# KiCad board cell-sim.kicad_pcb (continued)
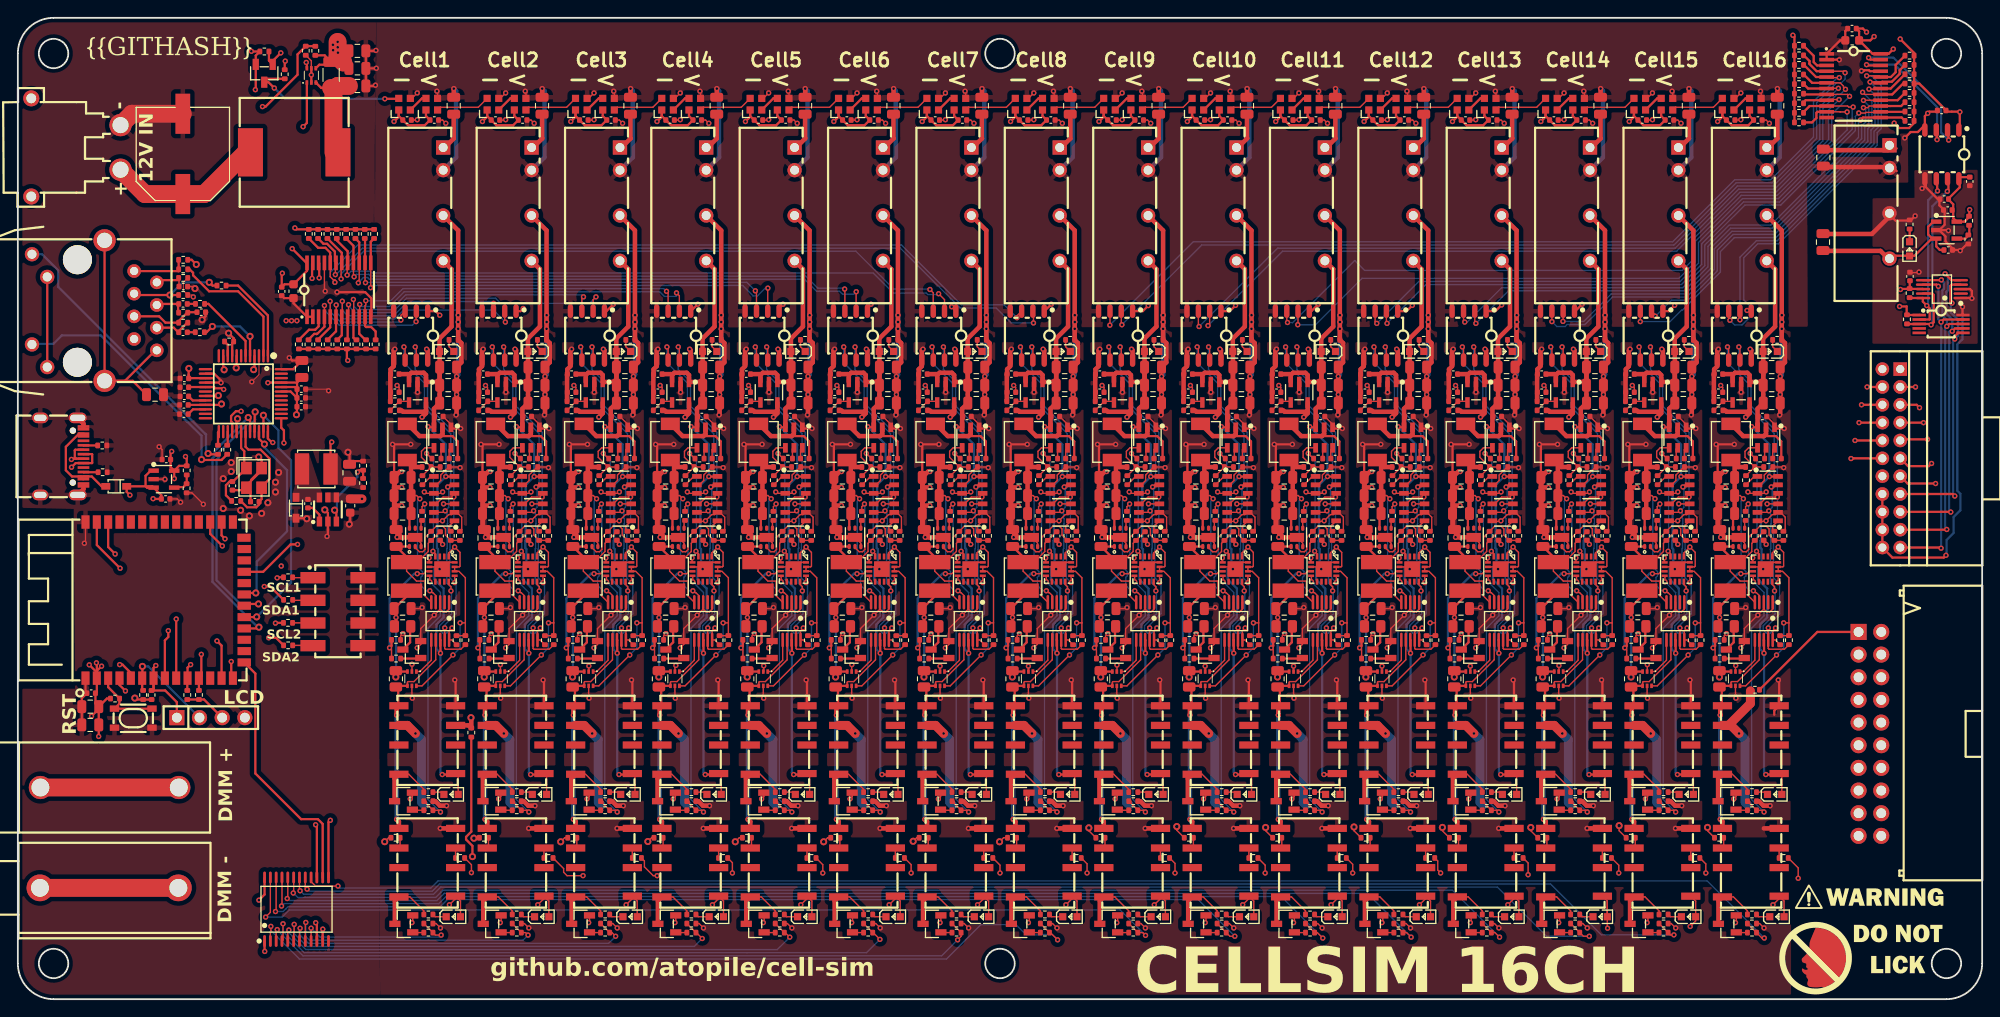
[diagram p0: board, top side]
## Routing (per net, layer and track width the routed paths; a pad name or vN(x,y) marks a point on that pad's centre or on a via; arc(x,y) is an arc through that point) (continued)
  Top w0.25: U97.1 91.63,50.73 C131.1 92.81,49.56 92.81,48.99
CELL6_OUTPUT_RELAY_CONTROL: length 30.4
  Top w0.15: 95.74,21.18 94.98,21.94 94.98,22.19 ; R205.1 96.39,21.18 v2(96.59,20.98) ; U101.8 95.39,47.43 v2(95.39,46.78)
  Bottom w0.15: v2(95.39,46.78) 96.59,45.58 96.59,42.98 95.19,41.58 95.19,22.38 v2(96.59,20.98)
cell7-led_data: length 6.1
  Top w0.15: U117.2 106.46,99.97 110.71,99.97 U132.4
cell7-vcc: length 165.3
  Top w0.25: v2(206.49,66.62) U247.6
  Top w1: v2(103.69,29.78) 102.78,30.69 U113.6
  In1.Cu w0.5: v2(103.69,29.78) 104.62,29.78 105.65,28.75 105.65,28.73 116.69,17.69 194.43,17.69 205.2,28.46 U246.11
  In2.Cu w0.25: v2(206.49,66.62) 206.84,66.27 206.84,45.81 204.04,43.01 204.04,30.59 U246.11
  Bottom w1: v2(103.69,29.78) 104.36,29.11 104.36,22.08 104.69,21.75
cell7.buck.ctrl_resistor-vfb: length 6.2
  Top w0.15: R221.2 104.36,60.73 104.36,61.41 104.75,61.8 U109.4 ; R221.2 R222.1 ; R221.2 105.43,59.65 R220.2
cell7.buck.dac-vout: length 1.7
  Top w0.15: R220.1 105.4,58.6 U108.1
cell7.buck.regulator-en: length 1.3
  Top w0.15: R223.2 106.55,61.64 U109.5
cell7.buck.regulator-sw: length 9.5
  Top w0.25: C145.2 108.41,62.52 107.82,63.12 106.48,63.12
  Top w0.5: L15.1 104.15,63.12 106.48,63.12 106.71,63.35 U109.2
cell7.buck.regulator-vbst: length 1.3
  Top w0.15: U109.6 107.45,61.6 C145.1
cell7.dmm_relay-gnd: length 1.1
  Top w0.15: U114.3 108.18,16.94 R243.1
cell7.dmm_relay-vcc: length 1.2
  Top w0.15: U114.6 101.96,17.08 R242.1
cell7.dmm_relay.fet-gate: length 1.3
  Top w0.15: R233.2 103.41,7.46 Q20.1
cell7.dmm_relay.indicator_led.resistor-cathode: length 1.6
  Top w0.15: R232.1 105.9,9.24 LED22.1
cell7.dmm_relay.relay-gnd: length 7.1
  Top w0.15: U114.8 103.06,11.46 104.62,9.9 R232.2
  Top w0.5: U114.8 101.38,11.01 Q20.3
cell7.gpio-p4: length 13.5
  Top w0.15: U115.7 104.86,47.96 104.6,47.69 v2(103.89,47.69) ; R235.1 101,39.16 v2(100.78,39.38)
  Top w0.25: R236.1 101,39.6 v2(100.78,39.38)
  Bottom w0.25: v2(100.78,39.38) 100.78,44.92 103.55,47.69 v2(103.89,47.69)
cell7.internal_ldo.feedback_div-out: length 2.6
  Top w0.15: U119.4 102.83,67.02 R241.1 101.88,67.02 R240.2
cell7.isolated_converter.led.resistor-cathode: length 1.5
  Top w0.15: LED20.1 107.45,73.13 R219.1
cell7.ldo.ctrl_resistor-fb: length 8.5
  Top w0.15: 103.66,50.56 U111.2 103.66,50.61 104.12,50.15 104.5,50.15 104.77,50.42 104.77,51.77 R225.2 106.04,53.05 106.71,53.05 107.05,52.71 107.05,52.02 R224.2 ; 108.45,51.43 107.44,51.43
cell7.ldo.dac-vout: length 1.4
  Top w0.15: U110.1 107.44,53 107.44,52.44
cell7.ldo.regulator-en: length 0.9
  Top w0.15: R227.2 104.31,53.56 U111.4
cell7.load_switch.fet-gate: length 2.3
  Top w0.25: Q21.1 104.22,38.18 R235.2
cell7.load_switch.fet-n: length 3
  Top w0.25: Q21.3 103.09,40 103.09,41.72 R237.2
cell7.output_relay.fet-gate: length 1.6
  Top w0.15: Q19.1 103.41,21.18 104.88,21.18
cell7.output_relay.indicator_led.resistor-cathode: length 1.3
  Top w0.15: LED21.1 106.62,23.21 R229.1
cell7.output_relay.relay-gnd: length 7
  Top w0.15: U113.8 102.94,25.21 104.62,23.53 R229.2
  Top w0.5: Q19.3 101.34,24.72 U113.8
cell7.voltage_led.ic-vcc: length 2.3
  Top w0.25: U118.2 104.41,100.97 U117.4
CELL7_3V3_VCC: length 34.1
  Top w0.15: 109.27,42.18 R238.2 109.26,40.74 R239.2 ; 109.27,42.18 109.27,47.24 108.55,47.96 U115.14 U115.15 108.59,48.46 108.68,48.54 108.68,50.08 v2(108.07,50.69) 107.41,50.03 U115.1 ; 109.27,42.18 v2(108.69,42.18) ; v2(106.83,55.52) 106.83,55.52 U110.3 ; v2(104.68,56.86) 104.83,56.7 U108.3 106.57,56.7 v2(106.73,56.86) ; C152.1 101.86,68.57 v2(101.63,68.79) ; v2(107.89,38.58) 104.43,35.12 U112.6
  Top w0.5: v2(104.42,65.24) 104.87,65.68 104.87,66 ; U119.5 104.87,66 ; 104.87,66 104.71,65.84 102.3,65.84 102.14,66 ; U116.8 105.05,72.74 v2(104.93,72.86)
  Bottom w0.15: v2(108.69,42.18) 108.69,39.38 v2(107.89,38.58)
CELL7_5V_VCC: length 77.2
  Top w0.15: LED21.2 108.47,25 U113.1 ; 106.39,70.85 C138.1
  Top w0.25: U108.6 108.03,58.58 v2(107.09,58.58) ; v2(105.09,64.18) 105.16,64.1 U109.3 105.76,65.25 C141.1 ; U113.1 108.07,25.18 v2(106.69,25.18) ; v2(106.49,38.78) 106.49,40.24 U107.8
  Top w0.5: 102.97,69.96 102.86,70.06 102.11,70.06 ; 102.97,69.96 U119.3 ; 102.97,69.96 103.22,70.21 104.61,70.21 104.87,69.96 U119.1 106.04,69.18 C140.1 106.39,68.83 106.39,70.06 ; U109.3 105.76,66.19 C139.1 106.39,70.06 ; 106.39,70.06 106.39,72.59 LED20.2 106.38,74.05 107.73,75.4 107.73,81.83 U106.6
  Bottom w0.25: v2(105.09,64.18) 107.09,62.18 v2(107.09,58.58) 106.14,57.63 106.14,51.43 106.09,51.38 106.09,50.58 106.22,50.44 106.22,48.85 105.81,48.45 105.81,47.05 106.84,46.03 106.84,42.79 106.04,42 106.04,39.23 v2(106.49,38.78) 106.49,25.38 v2(106.69,25.18)
CELL7_BUCK_ENABLE: length 12.8
  Top w0.15: v2(105.64,50.21) 105.91,49.94 U115.4 ; R223.1 105.51,60.6 v2(104.93,61.17)
  Bottom w0.15: v2(104.93,61.17) 105.69,60.41 105.69,50.26 v2(105.64,50.21)
CELL7_BUCK_POWER_OUT_VCC: length 24.3
  Top w0.15: C142.1 103.81,56.45 v2(104.17,56.09) ; v2(105.29,45.78) 105.34,45.78 105.55,45.57 105.63,45.57 105.96,45.24 U107.4
  Top w0.25: C143.1 103.01,54.25 U111.6 ; 103.34,58.63 C144.1
  Top w0.5: R221.1 103.55,59.65 L15.2 103.19,60.01 C143.1
  Bottom w0.15: v2(104.17,56.09) 103.92,55.84 103.92,48.35 104,48.27 104.12,48.27 104.46,47.93 104.46,47.45 104.29,47.28 104.29,46.38 104.89,45.78 v2(105.29,45.78)
CELL7_CURRENT_SENSE_OUTPUT: length 4.5
  Top w0.15: U107.6 105.46,37.99 104.18,36.72 U112.1
CELL7_CURRENT_SENSE_POWER_OUT_VCC: length 24.3
  Top w0.15: U107.7 105.96,38.04 103.51,35.6 102.86,35.6 102.79,35.52 U112.4
  Top w0.25: R228.2 101.62,35.12 U112.4 ; 101.51,35 101.75,34.75 101.75,32.89
  Top w0.5: v2(101.58,20.16) 101.83,19.91 U114.5 ; v2(101.58,31.84) 101.58,32.64 U113.5
  Bottom w0.5: v2(101.58,20.16) v2(101.58,31.84)
CELL7_DMM_RELAY_CONTROL: length 81.9
  Top w0.15: v2(29.05,7.8) 28.93,7.68 U16.3 ; R234.1 104.63,8.48 R233.1 105.64,7.04 v2(105.25,6.65)
  Bottom w0.15: v2(29.05,7.8) 29.05,7.74 31.93,4.86 103.46,4.86 v2(105.25,6.65)
CELL7_FILTER_POWER_OUT_VCC: length 134.3
  Top w0.15: R261.2 111.92,40.72 v2(112.18,40.98) ; 111.42,55.33 111.19,55.1 C159.2 ; U122.2 115.92,57.65 116.41,58.14 116.41,58.75 117.31,59.65 R247.2 118.51,59.65 v2(118.58,59.58) ; C157.2 117.56,64.44 U123.1 ; R251.2 118.76,52.65 118.76,54.03 118.22,54.57 U124.2 117.88,54.57 117.62,54.32 117.31,54.32 116.61,53.62 v2(116.61,53.62) 116.54,53.55 115.59,53.55 115.65,53.61 U124.6 ; v2(114.32,43.9) 114.2,43.78 C164.2 ; v2(118.19,67.78) 118.19,67.78 C156.2 ; v2(113.78,39.38) 114.17,39.77 Q24.2 114.17,41.54 v2(115.68,43.05) 116.35,43.72 U121.3 116.35,43.73 116.68,43.4 117.03,43.4 117.35,43.73 U121.1 ; 116.35,51.44 116.35,51.25 v2(116.62,50.98) ; 111.38,58.48 C160.2 111.42,58.25 C163.2 111.42,51.88 v2(111.53,51.78) ; Q22.2 113.24,22.69 v2(113,22.45) ; v2(113.23,33.74) 113.18,33.78 U126.5 ; 118.19,65.55 v2(118.13,65.49) ; U129.6 116.31,48.46 U129.17 117.31,48.96 U129.16 117.45,48.96 116.7,48.21 v2(116.29,48.21) ; v2(113.18,37.33) U126.2 ; C154.2 v2(118.19,69.81) ; U125.7 114.21,51.11 U125.3 ; C158.2 111.19,56.52
  Top w0.25: U123.1 117.69,63.97 v2(118.64,63.97) ; U112.3 101.59,36.72 R228.1 101.49,36.11 v1(101.49,36.11) ; v2(117.98,35.78) 118.08,35.69 U127.4 ; 102.71,45.79 102.71,45.18 101.31,43.78 101.51,43.58 v2(101.51,42.78) 101.51,42.02 ; v2(113.05,62.19) v2(111.02,62.19) 111.19,62.02 C160.2
  Top w0.5: 118.37,76.67 v2(118.37,76.67) ; 118.37,76.67 118.37,86.17 U120.4 ; 118.37,76.67 118.37,75.91 ; v2(118.19,69.81) v2(118.19,67.78) C155.2 118.19,65.55 ; 111.19,56.52 111.19,57.36 v2(112.04,57.36) ; 111.42,55.33 v2(112.04,55.33) ; v2(117.06,21.68) 116.32,21.68 115.81,22.19 R256.2 ; 112.04,51.76 111.54,51.76 v2(111.53,51.78) ; 112.04,51.76 111.19,52.61 C160.2 ; 112.04,51.76 U125.7 ; U133.2 v2(113.81,68.03) ; R266.2 110.76,70.03 C167.2 110.79,70.6 111.14,70.95 U130.5 111.14,72.73 v2(111.27,72.86) ; U128.4 v2(116.36,19.14) ; 118.37,75.91 R244.2 118.73,73.54 118.73,71.38 C154.2 ; 118.37,75.91 v2(118.37,75.91) ; v2(112.04,59.14) 111.85,59.14 111.38,58.67 111.38,58.48
  In1.Cu w0.15: 113.23,37.28 v2(113.18,37.33)
  In1.Cu w1: v2(113.23,33.74) 113.23,37.28
  In2.Cu w0.25: v1(101.49,36.11) 102.08,36.11 104.45,33.74 v2(113.23,33.74)
  Bottom w0.25: v1(101.49,36.11) 101.51,36.13 v2(101.51,42.78)
  Bottom w0.5: v2(118.19,69.81) 118.37,69.99 v2(118.37,76.67)
  vias: v2(118.37,75.14)
CELL7_I2C_SCL: length 44.2
  Top w0.15: U108.5 107.53,57.65 v2(107.3,57.41) ; R239.1 107.74,40.27 U107.10 107.46,41.29 v2(107.77,41.61) ; v2(107.02,54.74) 106.85,54.57 U110.5 ; U115.12 107.41,46.49 107.66,46.24 v2(107.66,45.76) ; U116.6 102.52,72.98 v2(102.39,73.11)
  Bottom w0.15: v2(102.39,73.11) 102.39,71.33 104.68,69.05 104.68,66.35 107.63,63.39 107.63,57.36 107.41,57.14 107.41,55.13 v2(107.02,54.74) 107.22,54.54 107.22,53.93 107.29,53.86 107.29,53.31 107.25,53.27 107.25,50.53 107.19,50.48 107.19,46.64 107.66,46.17 v2(107.66,45.76) 107.73,45.7 107.73,43.19 106.39,41.85 106.39,41.38 106.73,41.04 107.2,41.04 v2(107.77,41.61)
CELL7_I2C_SDA: length 44
  Top w0.15: v2(106.96,41.62) 106.96,41.61 U107.9 106.96,39.31 107.04,39.23 108.77,39.23 R238.1 ; U110.4 106.02,55.52 106.79,56.28 v2(107.98,56.28) ; v2(108.07,46.7) U115.13 ; U116.7 103.78,72.99 v2(103.66,73.11)
  Bottom w0.15: v2(103.66,73.11) 103.66,70.57 105.03,69.21 105.03,66.49 107.98,63.54 v2(107.98,56.28) 107.98,53.58 107.55,53.15 107.55,50.41 107.54,50.4 107.54,47.23 v2(108.07,46.7) 108.23,46.53 108.23,43.2 106.96,41.93 v2(106.96,41.62)
CELL7_LDO_ENABLE: length 7.7
  Top w0.15: v2(105.21,49.46) 105.21,49 U115.5 ; R227.1 104.42,55.21 v2(104.72,55.51)
  Bottom w0.15: v2(105.21,49.46) 104.75,49.93 104.75,55.48 v2(104.72,55.51)
CELL7_LDO_POWER_OUT_VCC: length 15.6
  Top w0.15: U107.5 104.72,45.23 104.72,46.87 103.8,46.87 102.69,47.97 L16.1 103.93,48.99 105.12,50.18 105.12,51.1 R225.1 106.42,52.4 106.45,52.4
  Top w0.25: U111.1 101.53,50.73 C147.1 102.71,49.56 102.71,48.99
CELL7_OUTPUT_RELAY_CONTROL: length 30.4
  Top w0.15: v2(106.49,20.98) 106.29,21.18 R230.1 ; 105.64,21.18 104.88,21.94 104.88,22.19 ; U115.8 105.29,47.43 v2(105.29,46.78)
  Bottom w0.15: v2(106.49,20.98) 105.09,22.38 105.09,41.58 106.49,42.98 106.49,45.58 v2(105.29,46.78)
cell8-led_data: length 6.1
  Top w0.15: U146.4 120.61,99.97 116.36,99.97 U131.2
cell8-vcc: length 155.3
  Top w0.25: U247.5 212.66,66.62 v2(212.99,66.3)
  Top w1: v2(113.58,29.78) 112.67,30.69 U127.6
  In1.Cu w0.25: U246.10 207.48,29.78 205.37,29.78 205.35,29.8
  In1.Cu w0.5: 113.58,29.77 124.96,18.39 194.14,18.39 205.53,29.78 205.55,29.78
  In1.Cu w1: v2(113.58,29.78) 113.58,29.77
  In2.Cu w0.25: v2(212.99,66.3) 212.81,66.12 212.81,49.49 210.82,47.5 210.82,33.13 U246.10
  Bottom w1: 114.58,21.75 114.26,22.08 114.26,29.11 v2(113.58,29.78)
cell8.buck.ctrl_resistor-vfb: length 6.2
  Top w0.15: R246.2 115.33,59.65 R245.2 ; R246.2 114.26,60.73 114.26,61.41 114.65,61.8 U123.4 ; R246.2 R247.1
cell8.buck.dac-vout: length 1.7
  Top w0.15: R245.1 115.3,58.6 U122.1
cell8.buck.regulator-en: length 1.3
  Top w0.15: R248.2 116.45,61.64 U123.5
cell8.buck.regulator-sw: length 9.5
  Top w0.25: 116.37,63.12 117.71,63.12 118.31,62.52 C161.2
  Top w0.5: U123.2 116.61,63.35 116.37,63.12 114.04,63.12 L17.1
cell8.buck.regulator-vbst: length 1.3
  Top w0.15: U123.6 117.35,61.6 C161.1
cell8.dmm_relay-gnd: length 1.1
  Top w0.15: U128.3 118.07,16.94 R268.1
cell8.dmm_relay-vcc: length 1.2
  Top w0.15: R267.1 111.86,17.08 U128.6
cell8.dmm_relay.fet-gate: length 1.3
  Top w0.15: R258.2 113.31,7.46 Q23.1
cell8.dmm_relay.indicator_led.resistor-cathode: length 1.6
  Top w0.15: LED25.1 115.79,9.24 R257.1
cell8.dmm_relay.relay-gnd: length 7.1
  Top w0.15: R257.2 114.52,9.9 112.95,11.46 U128.8
  Top w0.5: Q23.3 111.28,11.01 U128.8
cell8.gpio-p4: length 13.5
  Top w0.15: U129.7 114.76,47.96 114.49,47.69 v2(113.78,47.69) ; R260.1 110.9,39.16 v2(110.68,39.38)
  Top w0.25: v2(110.68,39.38) 110.9,39.6 R261.1
  Bottom w0.25: v2(110.68,39.38) 110.68,44.92 113.45,47.69 v2(113.78,47.69)
cell8.internal_ldo.feedback_div-out: length 2.6
  Top w0.15: U133.4 112.73,67.02 R266.1 111.78,67.02 R265.2
cell8.isolated_converter.led.resistor-cathode: length 1.5
  Top w0.15: LED23.1 117.35,73.13 R244.1
cell8.ldo.ctrl_resistor-fb: length 8.5
  Top w0.15: 113.56,50.56 U125.2 113.56,50.61 114.02,50.15 114.4,50.15 114.67,50.42 114.67,51.77 R250.2 115.94,53.05 116.61,53.05 116.95,52.71 116.95,52.02 R249.2 ; 118.35,51.43 117.34,51.43
cell8.ldo.dac-vout: length 1.4
  Top w0.15: U124.1 117.34,53 117.34,52.44
cell8.ldo.regulator-en: length 0.9
  Top w0.15: R252.2 114.21,53.56 U125.4
cell8.load_switch.fet-gate: length 2.3
  Top w0.25: Q24.1 114.12,38.18 R260.2
cell8.load_switch.fet-n: length 3
  Top w0.25: R262.2 112.98,41.72 112.98,40 Q24.3
cell8.output_relay.fet-gate: length 1.6
  Top w0.15: 114.77,21.18 113.31,21.18 Q22.1
cell8.output_relay.indicator_led.resistor-cathode: length 1.3
  Top w0.15: LED24.1 116.52,23.21 R254.1
cell8.output_relay.relay-gnd: length 7
  Top w0.15: U127.8 112.84,25.21 114.52,23.53 R254.2
  Top w0.5: Q22.3 111.24,24.72 U127.8
cell8.voltage_led.ic-vcc: length 2.3
  Top w0.25: U131.4 114.31,100.97 U132.2
CELL8_3V3_VCC: length 34.1
  Top w0.15: v2(118.58,42.18) 119.17,42.18 ; 119.17,42.18 R263.2 119.16,40.74 R264.2 ; 119.17,42.18 119.17,47.24 118.45,47.96 U129.14 U129.15 118.49,48.46 118.58,48.54 118.58,50.08 v2(117.97,50.69) 117.31,50.03 U129.1 ; v2(117.78,38.58) 114.33,35.12 U126.6 ; C168.1 111.75,68.57 v2(111.53,68.79) ; v2(116.73,55.52) 116.73,55.52 U124.3 ; v2(116.62,56.86) 116.47,56.7 U122.3 114.73,56.7 v2(114.58,56.86)
  Top w0.5: U130.8 114.95,72.74 v2(114.83,72.86) ; v2(114.32,65.24) 114.76,65.68 114.76,66 ; U133.5 114.76,66 ; 114.76,66 114.61,65.84 112.19,65.84 112.04,66
  Bottom w0.15: v2(118.58,42.18) 118.58,39.38 v2(117.78,38.58)
CELL8_5V_VCC: length 77.2
  Top w0.15: U127.1 118.37,25 LED24.2 ; 116.29,70.85 C154.1
  Top w0.25: C157.1 115.66,65.25 U123.3 115.06,64.1 v2(114.98,64.18) ; U127.1 117.97,25.18 v2(116.58,25.18) ; v2(116.98,58.58) 117.93,58.58 U122.6 ; U121.8 116.38,40.24 v2(116.38,38.78)
  Top w0.5: 112.86,69.96 113.12,70.21 114.51,70.21 114.76,69.96 U133.1 115.94,69.18 C156.1 116.29,68.83 116.29,70.06 ; 112.86,69.96 112.76,70.06 112.01,70.06 ; 112.86,69.96 U133.3 ; 116.29,70.06 C155.1 115.66,66.19 U123.3 ; 116.29,70.06 116.29,72.59 LED23.2 116.28,74.05 117.62,75.4 117.62,81.83 U120.6
  Bottom w0.25: v2(114.98,64.18) 116.98,62.18 v2(116.98,58.58) 116.03,57.63 116.03,51.43 115.98,51.38 115.98,50.58 116.12,50.44 116.12,48.85 115.71,48.45 115.71,47.05 116.73,46.03 116.73,42.79 115.94,42 115.94,39.23 v2(116.38,38.78) 116.38,25.38 v2(116.58,25.18)
CELL8_BUCK_ENABLE: length 12.8
  Top w0.15: R248.1 115.41,60.6 v2(114.83,61.17) ; U129.4 115.81,49.94 v2(115.54,50.21)
  Bottom w0.15: v2(114.83,61.17) 115.59,60.41 115.59,50.26 v2(115.54,50.21)
CELL8_BUCK_POWER_OUT_VCC: length 24.3
  Top w0.15: v2(114.07,56.09) 113.71,56.45 C158.1 ; U121.4 115.85,45.24 115.53,45.57 115.45,45.57 115.24,45.78 v2(115.19,45.78)
  Top w0.25: 113.24,58.63 C160.1 ; C159.1 112.91,54.25 U125.6
  Top w0.5: R246.1 113.45,59.65 L17.2 113.09,60.01 C159.1
  Bottom w0.15: v2(115.19,45.78) 114.79,45.78 114.18,46.38 114.18,47.28 114.36,47.45 114.36,47.93 114.02,48.27 113.9,48.27 113.81,48.35 113.81,55.84 v2(114.07,56.09)
CELL8_CURRENT_SENSE_OUTPUT: length 4.5
  Top w0.15: U121.6 115.35,37.99 114.08,36.72 U126.1
CELL8_CURRENT_SENSE_POWER_OUT_VCC: length 24.3
  Top w0.15: U126.4 112.68,35.52 112.76,35.6 113.41,35.6 115.85,38.04 U121.7
  Top w0.25: R253.2 111.52,35.12 U126.4 ; 111.65,32.89 111.65,34.75 111.41,35
  Top w0.5: v2(111.47,20.16) 111.73,19.91 U128.5 ; v2(111.47,31.84) 111.47,32.64 U127.5
  Bottom w0.5: v2(111.47,20.16) v2(111.47,31.84)
CELL8_DMM_RELAY_CONTROL: length 96.6
  Top w0.15: v2(28.33,8.16) 28.33,7.58 28.28,7.53 U16.2 ; R259.1 114.52,8.48 R258.1 115.64,7.46 v2(116.45,6.65)
  Bottom w0.15: v2(28.33,8.16) 28.33,7.7 31.53,4.51 104.01,4.51 107.85,8.35 111.8,8.35 112.95,7.2 114.4,7.2 114.45,7.25 115.85,7.25 v2(116.45,6.65)
CELL8_FILTER_POWER_OUT_VCC: length 134.5
  Top w0.15: v2(122.08,40.98) 121.82,40.72 R286.2 ; U138.6 125.55,53.61 125.49,53.55 126.44,53.55 v2(126.51,53.62) 127.2,54.32 127.52,54.32 127.78,54.57 U138.2 128.12,54.57 128.66,54.03 128.66,52.65 R276.2 ; 121.28,58.48 C176.2 121.32,58.25 C179.2 121.32,51.88 v2(121.43,51.78) ; U139.7 124.11,51.11 U139.3 ; U140.5 123.08,33.78 v2(123.13,33.74) ; v2(123.1,37.45) 123.1,36.74 U140.2 ; Q25.2 123.14,22.69 v2(122.9,22.45) ; U143.6 126.21,48.46 U143.17 127.21,48.96 U143.16 127.35,48.96 126.6,48.21 v2(126.19,48.21) ; v2(124.22,43.9) 124.1,43.78 C180.2 ; C173.2 127.46,64.44 U137.1 ; v2(128.09,67.78) 128.09,67.78 C172.2 ; C174.2 121.09,56.52 ; v2(128.48,59.58) 128.41,59.65 R272.2 127.21,59.65 126.31,58.75 126.31,58.14 125.82,57.65 U136.2 ; 126.25,51.44 126.25,51.25 v2(126.52,50.98) ; U135.1 127.25,43.73 126.93,43.4 126.58,43.4 126.25,43.73 U135.3 126.25,43.72 v2(125.58,43.05) 124.07,41.54 Q27.2 124.07,39.77 v2(123.68,39.38) ; C170.2 v2(128.09,69.81) ; C175.2 121.09,55.1 121.32,55.33 ; 128.09,65.55 v2(128.03,65.49)
  Top w0.25: v2(127.88,35.78) 127.98,35.69 U141.4 ; 112.61,45.79 112.61,45.18 111.21,43.78 111.41,43.58 v2(111.41,42.78) 111.41,42.02 ; v1(111.38,36.11) 111.39,36.11 R253.1 111.49,36.72 U126.3 ; v2(122.95,62.19) v2(120.92,62.19) 121.09,62.02 C176.2 ; U137.1 127.59,63.97 v2(128.54,63.97)
  Top w0.5: U142.4 v2(126.26,19.14) ; 128.27,75.91 v2(128.27,75.91) ; 128.27,75.91 128.27,76.67 ; 128.27,75.91 R269.2 128.63,73.54 128.63,71.38 C170.2 ; 121.32,55.33 v2(121.94,55.33) ; C176.2 121.09,52.61 121.94,51.76 ; 121.94,51.76 121.44,51.76 v2(121.43,51.78) ; 121.94,51.76 U139.7 ; 128.27,76.67 v2(128.27,76.67) ; 128.27,76.67 128.27,86.17 U134.4 ; v2(121.94,59.14) 121.75,59.14 121.28,58.67 121.28,58.48 ; v2(121.17,72.86) 121.04,72.73 U144.5 121.04,70.95 120.69,70.6 C183.2 120.66,70.03 R291.2 ; 128.09,65.55 C171.2 v2(128.09,67.78) v2(128.09,69.81) ; v2(126.96,21.68) 126.22,21.68 125.71,22.19 R281.2 ; U147.2 v2(123.71,68.03) ; v2(121.94,57.36) 121.09,57.36 121.09,56.52
  In1.Cu w0.15: 123.13,37.42 v2(123.1,37.45)
  In1.Cu w1: v2(123.13,33.74) 123.13,37.42
  In2.Cu w0.25: v2(123.13,33.74) 121.71,35.16 112.34,35.16 v1(111.38,36.11)
  Bottom w0.25: v2(111.41,42.78) 111.41,36.13 v1(111.38,36.11)
  Bottom w0.5: v2(128.09,69.81) 128.27,69.99 v2(128.27,76.67)
  vias: v2(128.27,75.14)
CELL8_I2C_SCL: length 44.2
  Top w0.15: v2(117.2,57.41) 117.43,57.65 U122.5 ; U124.5 116.75,54.57 v2(116.92,54.74) ; R264.1 117.64,40.27 U121.10 117.35,41.29 v2(117.67,41.61) ; v2(112.29,73.11) 112.42,72.98 U130.6 ; v2(117.56,45.76) 117.56,46.24 117.31,46.49 U129.12
  Bottom w0.15: v2(112.29,73.11) 112.29,71.33 114.58,69.05 114.58,66.35 117.53,63.39 117.53,57.36 117.3,57.14 117.3,55.13 v2(116.92,54.74) 117.12,54.54 117.12,53.93 117.18,53.86 117.18,53.31 117.15,53.27 117.15,50.53 117.09,50.48 117.09,46.64 117.56,46.17 v2(117.56,45.76) 117.62,45.7 117.62,43.19 116.29,41.85 116.29,41.38 116.62,41.04 117.1,41.04 v2(117.67,41.61)
CELL8_I2C_SDA: length 44
  Top w0.15: v2(116.86,41.62) 116.85,41.61 U121.9 116.85,39.31 116.94,39.23 118.67,39.23 R263.1 ; U130.7 113.68,72.99 v2(113.56,73.11) ; v2(117.97,46.7) U129.13 ; U124.4 115.92,55.52 116.69,56.28 v2(117.88,56.28)
  Bottom w0.15: v2(113.56,73.11) 113.56,70.57 114.93,69.21 114.93,66.49 117.88,63.54 v2(117.88,56.28) 117.88,53.58 117.45,53.15 117.45,50.41 117.44,50.4 117.44,47.23 v2(117.97,46.7) 118.13,46.53 118.13,43.2 116.86,41.93 v2(116.86,41.62)
CELL8_LDO_ENABLE: length 7.7
  Top w0.15: v2(115.11,49.46) 115.11,49 U129.5 ; R252.1 114.32,55.21 v2(114.62,55.51)
  Bottom w0.15: v2(114.62,55.51) 114.64,55.48 114.64,49.93 v2(115.11,49.46)
CELL8_LDO_POWER_OUT_VCC: length 15.6
  Top w0.15: U121.5 114.62,45.23 114.62,46.87 113.7,46.87 112.59,47.97 L18.1 113.82,48.99 115.02,50.18 115.02,51.1 R250.1 116.32,52.4 116.35,52.4
  Top w0.25: 112.61,48.99 112.61,49.56 C163.1 111.43,50.73 U125.1
CELL8_OUTPUT_RELAY_CONTROL: length 30.4
  Top w0.15: R255.1 116.19,21.18 v2(116.38,20.98) ; U129.8 115.18,47.43 v2(115.18,46.78) ; 115.54,21.18 114.77,21.94 114.77,22.19
  Bottom w0.15: v2(115.18,46.78) 116.38,45.58 116.38,42.98 114.98,41.58 114.98,22.38 v2(116.38,20.98)
cell9-led_data: length 6.1
  Top w0.15: U160.4 130.51,99.97 126.26,99.97 U145.2
cell9-vcc: length 140.1
  Top w0.25: v2(207.12,68.62) U247.4
  Top w1: v2(123.48,29.78) 122.57,30.69 U141.6
  In1.Cu w0.5: U246.9 205.74,31 204.77,30.04 204.77,30.01 198.49,23.73 129.52,23.73 123.48,29.77 v2(123.48,29.78)
  In2.Cu w0.25: v2(207.12,68.62) 207.29,68.45 207.29,45.63 204.49,42.82 204.49,32.68 U246.9
  Bottom w1: v2(123.48,29.78) 124.16,29.11 124.16,22.08 124.48,21.75
cell9.buck.ctrl_resistor-vfb: length 6.2
  Top w0.15: R271.2 124.15,60.73 124.15,61.41 124.54,61.8 U137.4 ; R271.2 125.23,59.65 R270.2 ; R271.2 R272.1
cell9.buck.dac-vout: length 1.7
  Top w0.15: U136.1 125.2,58.6 R270.1
cell9.buck.regulator-en: length 1.3
  Top w0.15: U137.5 126.35,61.64 R273.2
cell9.buck.regulator-sw: length 9.5
  Top w0.25: 126.27,63.12 127.61,63.12 128.21,62.52 C177.2
  Top w0.5: L19.1 123.94,63.12 126.27,63.12 126.51,63.35 U137.2
cell9.buck.regulator-vbst: length 1.3
  Top w0.15: C177.1 127.25,61.6 U137.6
cell9.dmm_relay-gnd: length 1.1
  Top w0.15: U142.3 127.97,16.94 R293.1
cell9.dmm_relay-vcc: length 1.2
  Top w0.15: U142.6 121.76,17.08 R292.1
cell9.dmm_relay.fet-gate: length 1.3
  Top w0.15: R283.2 123.21,7.46 Q26.1
cell9.dmm_relay.indicator_led.resistor-cathode: length 1.6
  Top w0.15: LED28.1 125.69,9.24 R282.1
cell9.dmm_relay.relay-gnd: length 7.1
  Top w0.15: U142.8 122.85,11.46 124.42,9.9 R282.2
  Top w0.5: U142.8 121.18,11.01 Q26.3
cell9.gpio-p4: length 13.5
  Top w0.15: U143.7 124.66,47.96 124.39,47.69 v2(123.68,47.69) ; v2(120.58,39.38) 120.8,39.16 R285.1
  Top w0.25: v2(120.58,39.38) 120.8,39.6 R286.1
  Bottom w0.25: v2(123.68,47.69) 123.35,47.69 120.58,44.92 v2(120.58,39.38)
cell9.internal_ldo.feedback_div-out: length 2.6
  Top w0.15: U147.4 122.63,67.02 R291.1 121.68,67.02 R290.2
cell9.isolated_converter.led.resistor-cathode: length 1.5
  Top w0.15: LED26.1 127.25,73.13 R269.1
cell9.ldo.ctrl_resistor-fb: length 8.5
  Top w0.15: 128.25,51.43 127.23,51.43 ; R274.2 126.85,52.02 126.85,52.71 126.51,53.05 125.84,53.05 R275.2 124.56,51.77 124.56,50.42 124.3,50.15 123.91,50.15 123.46,50.61 U139.2 123.46,50.56
cell9.ldo.dac-vout: length 1.4
  Top w0.15: U138.1 127.23,53 127.23,52.44
cell9.ldo.regulator-en: length 0.9
  Top w0.15: R277.2 124.11,53.56 U139.4
cell9.load_switch.fet-gate: length 2.3
  Top w0.25: R285.2 124.01,38.18 Q27.1
cell9.load_switch.fet-n: length 3
  Top w0.25: R287.2 122.88,41.72 122.88,40 Q27.3
cell9.output_relay.fet-gate: length 1.6
  Top w0.15: Q25.1 123.21,21.18 124.67,21.18
cell9.output_relay.indicator_led.resistor-cathode: length 1.3
  Top w0.15: R279.1 126.42,23.21 LED27.1
cell9.output_relay.relay-gnd: length 7
  Top w0.15: U141.8 122.74,25.21 124.42,23.53 R279.2
  Top w0.5: U141.8 121.14,24.72 Q25.3
cell9.voltage_led.ic-vcc: length 2.3
  Top w0.25: U145.4 124.21,100.97 U146.2
CELL9_3V3_VCC: length 34.1
  Top w0.15: 129.07,42.18 R288.2 129.06,40.74 R289.2 ; 129.07,42.18 v2(128.48,42.18) ; 129.07,42.18 129.07,47.24 128.35,47.96 U143.14 U143.15 128.39,48.46 128.48,48.54 128.48,50.08 v2(127.87,50.69) 127.21,50.03 U143.1 ; U138.3 126.63,55.52 v2(126.63,55.52) ; C184.1 121.65,68.57 v2(121.43,68.79) ; v2(124.48,56.86) 124.63,56.7 U136.3 126.37,56.7 v2(126.52,56.86) ; v2(127.68,38.58) 124.22,35.12 U140.6
  Top w0.5: v2(124.73,72.86) 124.85,72.74 U144.8 ; U147.5 124.66,66 ; 124.66,66 124.66,65.68 v2(124.22,65.24) ; 124.66,66 124.51,65.84 122.09,65.84 121.94,66
  Bottom w0.15: v2(127.68,38.58) 128.48,39.38 v2(128.48,42.18)
CELL9_5V_VCC: length 77.2
  Top w0.15: 126.19,70.85 C170.1 ; LED27.2 128.27,25 U141.1
  Top w0.25: C173.1 125.56,65.25 U137.3 124.96,64.1 v2(124.88,64.18) ; U135.8 126.28,40.24 v2(126.28,38.78) ; v2(126.88,58.58) 127.83,58.58 U136.6 ; v2(126.48,25.18) 127.87,25.18 U141.1
  Top w0.5: 121.91,70.06 122.66,70.06 122.76,69.96 ; 126.19,70.06 126.19,72.59 LED26.2 126.18,74.05 127.52,75.4 127.52,81.83 U134.6 ; 126.19,70.06 C171.1 125.56,66.19 U137.3 ; 126.19,70.06 126.19,68.83 C172.1 125.84,69.18 U147.1 124.66,69.96 124.41,70.21 123.02,70.21 122.76,69.96 ; 122.76,69.96 U147.3
  Bottom w0.25: v2(124.88,64.18) 126.88,62.18 v2(126.88,58.58) 125.93,57.63 125.93,51.43 125.88,51.38 125.88,50.58 126.01,50.44 126.01,48.85 125.61,48.45 125.61,47.05 126.63,46.03 126.63,42.79 125.84,42 125.84,39.23 v2(126.28,38.78) 126.28,25.38 v2(126.48,25.18)
CELL9_BUCK_ENABLE: length 12.8
  Top w0.15: R273.1 125.3,60.6 v2(124.73,61.17) ; v2(125.44,50.21) 125.71,49.94 U143.4
  Bottom w0.15: v2(125.44,50.21) 125.49,50.26 125.49,60.41 v2(124.73,61.17)
CELL9_BUCK_POWER_OUT_VCC: length 24.3
  Top w0.15: C174.1 123.61,56.45 v2(123.97,56.09) ; U135.4 125.75,45.24 125.43,45.57 125.34,45.57 125.14,45.78 v2(125.09,45.78)
  Top w0.25: C175.1 122.81,54.25 U139.6 ; 123.14,58.63 C176.1
  Top w0.5: C175.1 122.99,60.01 L19.2 123.35,59.65 R271.1
  Bottom w0.15: v2(125.09,45.78) 124.69,45.78 124.08,46.38 124.08,47.28 124.26,47.45 124.26,47.93 123.92,48.27 123.8,48.27 123.71,48.35 123.71,55.84 v2(123.97,56.09)
